# Altium PCB Drive_Board2.PcbDoc
Units mm, origin at the board's own origin, x right, y up, seen from the top; angles counter-clockwise.
Board outline 85.24 x 59.31 mm, 2 copper layers (Top Layer, Bottom Layer); 71 components, 38 nets, 185 pads, 0 vias.
Unrouted connection lines stored in the file: 147.
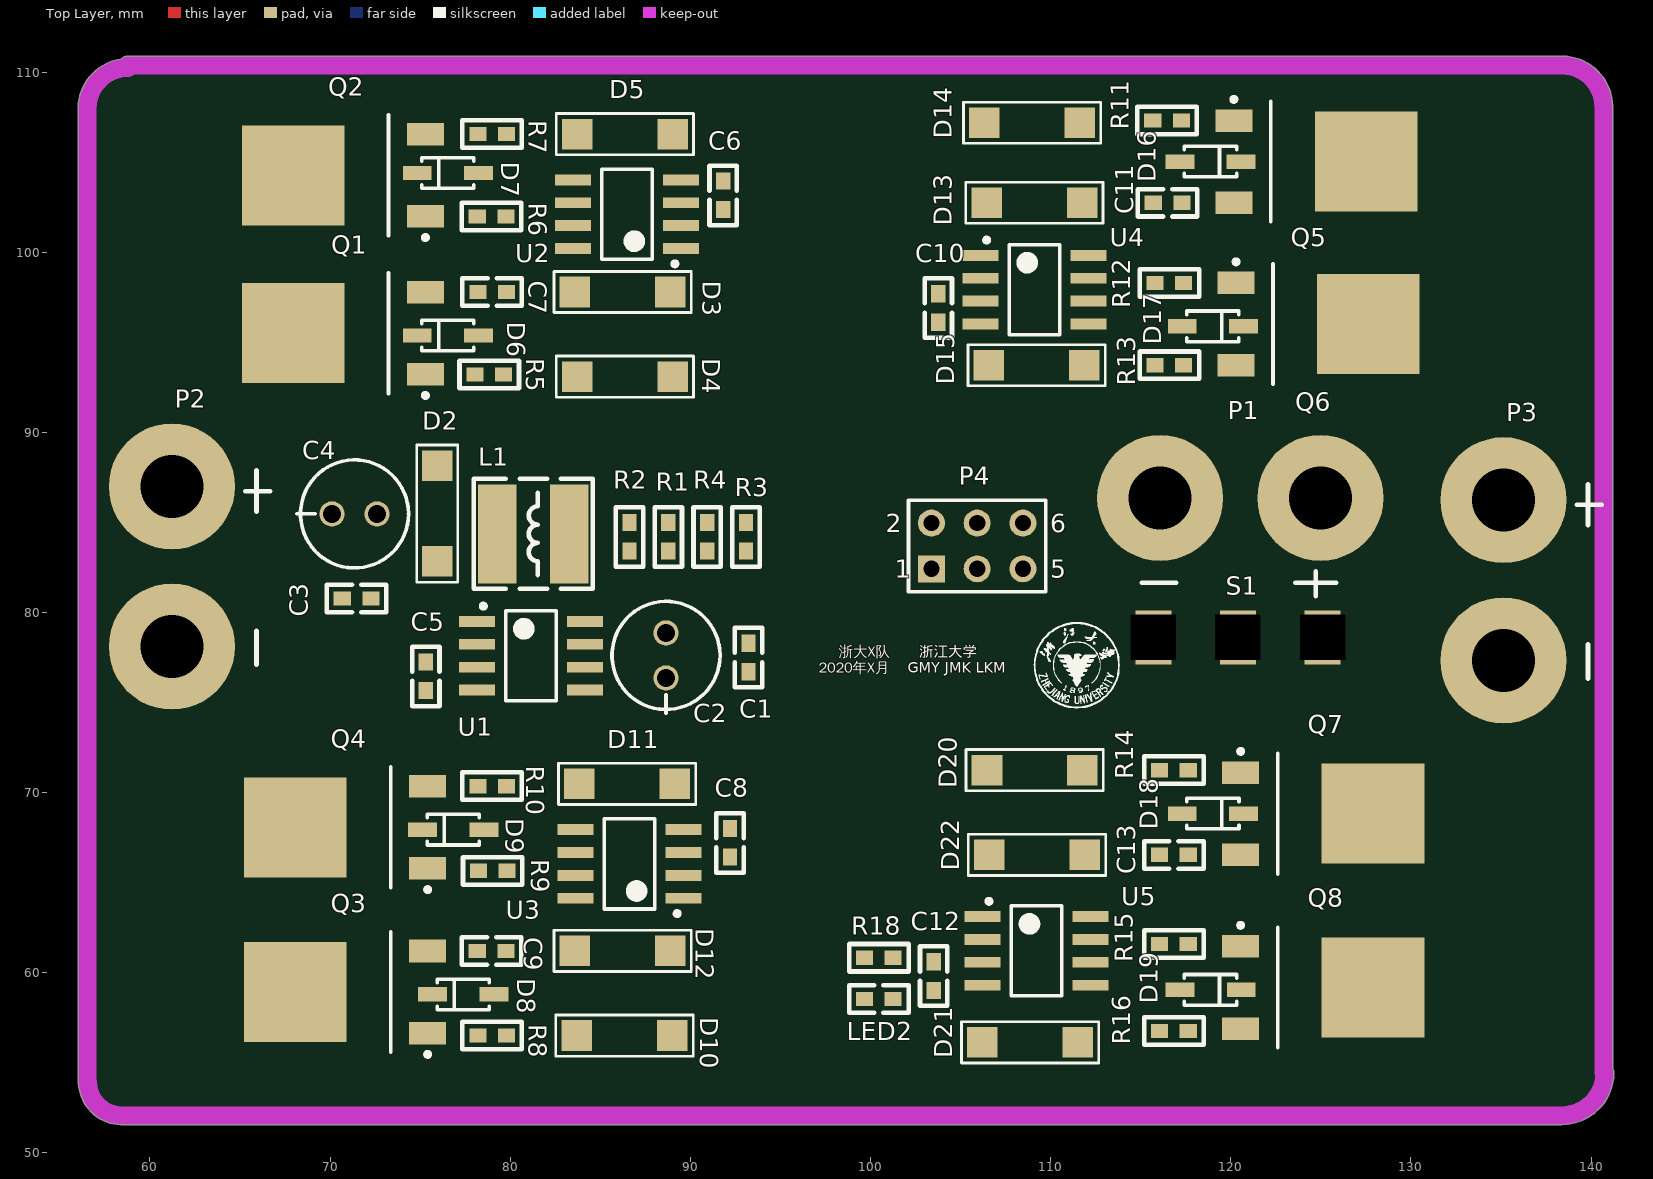
[diagram p0: Top Layer view]
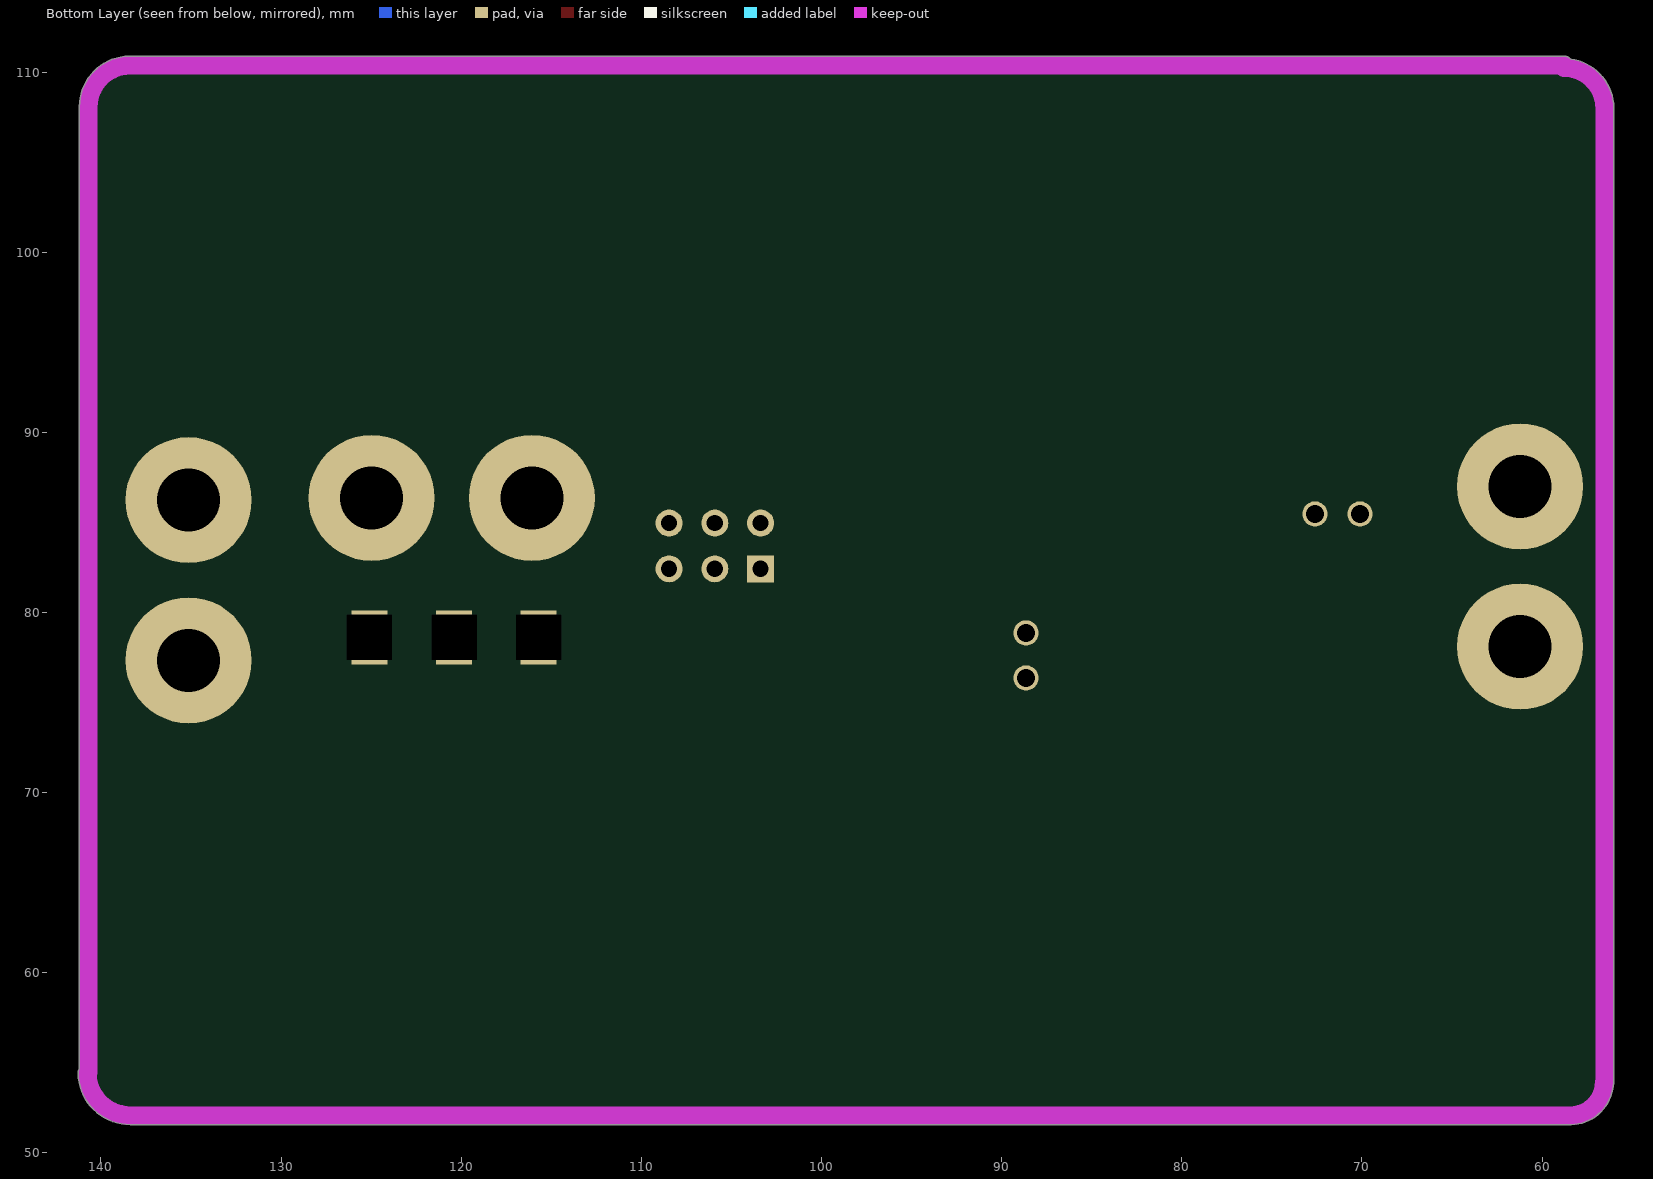
[diagram p1: Bottom Layer view, seen from below]

## Layer stack, top to bottom
Top Solder: solder mask 0.0102, Solder Resist, Dk 3.5
Top Layer: signal copper 0.0356
Dielectric 1: dielectric 0.32, FR-4, Dk 4.8
Bottom Layer: signal copper 0.0356
Bottom Solder: solder mask 0.0102, Solder Resist, Dk 3.5

## Board outline
58.386,51.571 ccw(c58.393,52.079) 58.403,51.571 ccw(c58.42,52.079) 58.42,51.57 138.367,51.57 ccw(c138.367,52.079) 138.371,51.57 cw(c138.373,52.079) 138.367,51.57 138.371,51.57 ccw(c138.373,52.079) 138.374,51.57 ccw(c138.367,54.462) 141.259,54.42 ccw(c140.75,54.428) 141.259,54.428 ccw(c140.75,54.428) 141.192,54.68 141.192,108.077 ccw(c140.683,108.077) 141.192,108.081 ccw(c140.683,108.083) 141.192,108.083 ccw(c140.683,108.083) 141.192,108.084 ccw(c138.389,108.077) 138.429,110.88 ccw(c138.422,110.371) 138.409,110.88 ccw(c138.389,110.372) 138.389,110.88 58.782,110.88 ccw(c58.782,110.372) 58.411,110.719 ccw(c58.782,107.978) 56.016,108.018 ccw(c56.524,108.01) 56.016,107.998 ccw(c56.524,107.978) 56.015,107.978 56.015,53.943 ccw(c56.524,53.943) 56.055,53.746 ccw(c58.42,53.943)

## Design rules (kind name [scope] priority, off if disabled: settings)
Clearance [All] p1: gap=0.254 ignorepadtopadclearanceinfootprint=FALSE except(0: Arc-Hole Track-Hole SMDPad-Hole THPad-Hole Via-Hole Fill-Hole Poly-Hole Region-Hole Text-Hole)
PolygonConnect [All] p1: connectstyle=Relief reliefconductorwidth=0.254 reliefentries=4 polygonreliefangle="90 Angle" airgapwidth=0.254
RoutingVias [All] p1: holewidth=0.711 width=1.27 viastyle="Through Hole" minholewidth=0.711 minwidth=1.27 maxholewidth=0.711 maxwidth=1.27
SolderMaskExpansion [All] p1: expansion=0.102
Width [All] p1: maxlimit=0.254 minlimit=0.254 preferedwidth=0.254
30 further rules are at their usual default settings.

## Components (designator, comment, footprint, x,y, rotation, side; value= is the part's Value field where it differs from the comment)
C1 "Cap" 0603C 93.218,77.502 r90 top value=100nF
C2 "Cap" 电解电容 88.646,78.867 r270 top value=100uF/16V
C3 "Cap" 0603C 71.469,80.772 r0 top value=100nF
C4 "Cap" 电解电容 72.604,85.471 r180 top value=100uF/16V
C5 "Cap" 0603C 75.311,76.454 r90 top value=470pF
C6 "Cap" 0603C 91.821,103.156 r270 top value=100nF
C7 "Cap" 0603C 78.994,97.79 r0 top value=1.5uF
C8 "Cap" 0603C 92.202,67.215 r270 top value=100nF
C9 "Cap" 0603C 78.962,61.214 r0 top value=1.5uF
C10 "Cap" 0603C 103.759,96.901 r90 top value=100nF
C11 "Cap" 0603C 116.491,102.743 r180 top value=1.5uF
C12 "Cap" 0603C 103.506,59.817 r90 top value=100nF
C13 "Cap" 0603C 116.841,66.548 r180 top value=1.5uF
D2 "SS14" ss54 75.946,85.488 r270 top
D3 "SS14" ss54 86.233,97.79 r0 top
D4 "SS14" ss54 86.36,93.091 r0 top
D5 "SS14" ss54 86.36,106.553 r0 top
D6 "1N4148" SOD123 78.183,95.377 r180 top
D7 "1N4148" SOD123 78.183,104.394 r180 top
D8 "1N4148" SOD123 79.043,58.801 r180 top
D9 "1N4148" SOD123 78.486,67.945 r180 top
D10 "SS14" ss54 86.343,56.515 r0 top
D11 "SS14" ss54 86.487,70.485 r0 top
D12 "SS14" ss54 86.233,61.214 r0 top
D13 "SS14" ss54 109.093,102.743 r180 top
D14 "SS14" ss54 108.966,107.188 r0 top
D15 "SS14" ss54 109.22,93.726 r0 top
D16 "1N4148" SOD123 117.221,105.029 r0 top
D17 "1N4148" SOD123 117.348,95.885 r0 top
D18 "1N4148" SOD123 117.349,68.834 r0 top
D19 "1N4148" SOD123 117.222,59.055 r0 top
D20 "SS14" ss54 109.111,71.247 r0 top
D21 "SS14" ss54 108.857,56.134 r180 top
D22 "SS14" ss54 109.238,66.548 r180 top
L1 "220uH" CD54 81.28,84.368 r180 top
LED2 "0" 0603C 100.458,58.547 r0 top
P1 "Header 2" VCCBAT 120.523,86.36 r180 top
P2 "Header 2" VCCBAT 61.214,82.55 r270 top
P3 "Header 2" VCCBAT 135.128,81.788 r270 top
P4 "Header 3X2" HDR2X3 103.378,82.423 r0 top
Q1 "MOSFET" DPAK-1 70.739,95.504 r180 top
Q2 "MOSFET" DPAK-1 70.739,104.267 r180 top
Q3 "MOSFET" DPAK-1 70.866,58.928 r180 top
Q4 "MOSFET" DPAK-1 70.866,68.072 r180 top
Q5 "MOSFET" DPAK-1 124.714,105.029 r0 top
Q6 "MOSFET" DPAK-1 124.841,96.012 r0 top
Q7 "MOSFET" DPAK-1 125.096,68.834 r0 top
Q8 "MOSFET" DPAK-1 125.096,59.182 r0 top
R1 "Res2" 0603R 88.773,84.201 r90 top value=0.91
R2 "Res2" 0603R 86.614,84.201 r90 top value=180
R3 "Res2" 0603R 93.091,84.201 r90 top value=3.9k
R4 "Res2" 0603R 90.932,84.201 r270 top value=33k
R5 "Res2" 0603R 78.835,93.218 r0 top value=20
R6 "Res2" 0603R 78.962,101.981 r0 top value=20
R7 "Res2" 0603R 78.994,106.553 r0 top value=10k
R8 "Res2" 0603R 78.994,56.515 r0 top value=20
R9 "Res2" 0603R 79.026,65.659 r0 top value=20
R10 "Res2" 0603R 78.994,70.358 r0 top value=10k
R11 "Res2" 0603R 116.459,107.315 r180 top value=20
R12 "Res2" 0603R 116.586,98.298 r180 top value=20
R13 "Res2" 0603R 116.586,93.726 r180 top value=10k
R14 "Res2" 0603R 116.841,71.247 r180 top value=20
R15 "Res2" 0603R 116.841,61.595 r180 top value=20
R16 "Res2" 0603R 116.841,56.769 r180 top value=10k
R18 "Res2" 0603R 100.458,60.833 r0 top value=11k
S1 "SW-SPDT" SW 120.396,78.613 r0 top
U1 "MC34063" SOIC-8 81.153,77.597 r0 top
U2 "IR2104" SOIC-8 86.487,102.108 r180 top
U3 "IR2104" SOIC-8 86.614,66.04 r180 top
U4 "IR2104" SOIC-8 109.093,97.917 r0 top
U5 "IR2104" SOIC-8 109.221,61.214 r0 top

## Footprints (in the part's own frame and the unit in brackets; to place one, negate y for a bottom-side part, rotate by r counter-clockwise, add the part's x,y. Pads: shape width x height; smd on the part's side, far side on the other; paste and mask are expansions set on the pad)
0603C [mil]
  rect 37.5x31 smd: 1(-31.25,0) 2(31.25,0)
  silkscreen extent -65,-30 65,30
0603R [mil]
  rect 37.5x31 smd: 1(-31.25,0) 2(31.25,0)
  silkscreen extent -65,-30 65,30
CD54 [mm] "5.8*5.2*4.5mm（长宽高）"
  rect 2.15x5.5 smd: 1(-2,0) 2(2,0)
  silkscreen extent -3.3,-3.05 3.3,3.05, body extent -2.87,-2.5 2.87,2.5, height 4
DPAK-1 [mm]
  rect 5.7x5.55 smd: 1(2.794,0)
  rect 2.05x1.25 smd: 2(-4.55,2.28) 3(-4.55,-2.28)
  silkscreen extent -4.68,-3.35 -2.5,3.58, body extent -2.15,-3.37 4.07,3.37, height 2.38
HDR2X3 [mm] "Connector; Header; 3x2 Position"
  rect 1.5x1.5 hole 0.9: 1(0,0)
  round 1.5 hole 0.9: 2(0,2.54) 3(2.54,0) 4(2.54,2.54) 5(5.08,0) 6(5.08,2.54)
  silkscreen extent -1.27,-1.27 6.35,3.81
SOD123 [mm]
  rect 1.6x0.8 smd: 1(-0.049,0) 2(3.351,0)
  silkscreen extent 0.2,-0.85 3.1,0.85
SOIC-8 [mm]
  rect 2x0.6 smd: 1(-3,1.905) 2(-3,0.635) 3(-3,-0.635) 4(-3,-1.905) 5(3,-1.905) 6(3,-0.635) 7(3,0.635) 8(3,1.905)
  silkscreen extent -2.77,-2.5 1.4,2.88, body extent -3.05,-2.44 3.05,2.46, height 1.51
ss54 [mm]
  rect 1.7x1.7 smd: A(-2.65,0) K(2.65,0)
  silkscreen extent -3.81,-1.14 3.81,1.14
SW [mm]
  rect 2x3 hole 2.5 square: 1(-4.7,0) 2(0,0) 3(4.7,0)
VCCBAT [mm]
  round 7 hole 3.5: 1(-4.445,0) 2(4.445,0)
  silkscreen extent -5.33,4.06 5.46,5.46
电解电容 [mm]
  round 1.4 hole 1: 1(0,0) 2(2.5,0)
  silkscreen extent -1.75,-3 4.44,3

## Part data
C1 C3 C5 C6 C7 C8 C9 C10 C11 C12 C13: "Capacitor", LatestRevisionDate=17-Jul-2002, LatestRevisionNote="Re-released for DXP Platform.", PackageDescription="Radial Cap, Thru-Hole; 2 Leads; 0.3 in Pin Spacing", PackageReference=RAD-0.3, Published=8-Jun-2000, Publisher="Altium Limited"
C2 C4: library part Cap2, "Capacitor", LatestRevisionDate=17-Jul-2002, LatestRevisionNote="Re-released for DXP Platform.", PackageDescription="Radial Cap, Thru-Hole; 2 Leads; 0.3 in Pin Spacing", PackageReference=RAD-0.3, Published=8-Jun-2000, Publisher="Altium Limited"
D2 D3 D4 D5 D10 D11 D12 D13 D14 D15 D20 D21 D22: library part Diode_1, "Default Diode", Code_JEDEC=DO-214-AB, LatestRevisionDate=17-Jul-2002, LatestRevisionNote="Re-released for DXP Platform.", PackageDescription="DO-214-AB/SMC; 2 C-Bend Leads; Body 7.9 x 5.9 mm, inc. leads (LxW)", PackageReference=SMC, PackageVersion=Sep-1996, Published=8-Jun-2000, Publisher="Altium Limited"
D6 D7 D8 D9 D16 D17 D18 D19: library part Diode_2, "Default Diode", Code_JEDEC=DO-214-AB, LatestRevisionDate=17-Jul-2002, LatestRevisionNote="Re-released for DXP Platform.", PackageDescription="DO-214-AB/SMC; 2 C-Bend Leads; Body 7.9 x 5.9 mm, inc. leads (LxW)", PackageReference=SMC, PackageVersion=Sep-1996, Published=8-Jun-2000, Publisher="Altium Limited"
L1: library part Inductor_2, "Inductor", Code_IEC=1005, Code_JEITA=0402, LatestRevisionDate=29-May-2009, LatestRevisionNote="IPC-7351 Footprint Added.", PackageDescription="Chip Inductor", PackageReference=0402-A, Published=8-Jun-2000, Publisher="Altium Limited"
LED2: library part LED2, "Typical RED, GREEN, YELLOW, AMBER GaAs LED", LatestRevisionDate=17-Jul-2002, LatestRevisionNote="Re-released for DXP Platform.", PackageDescription="SM LED; 2 Flat Leads", PackageReference=3.2X1.6X1.1, PackageVersion=Feb-2002, Published=8-Jun-2000, Publisher="Altium Limited"
P1 P2 P3: library part "Header 2_2", "Header, 2-Pin", LatestRevisionDate=17-Jul-2002, LatestRevisionNote="Re-released for DXP Platform.", Publisher="Altium Limited"
P4: "Header, 3-Pin, Dual row", LatestRevisionDate=17-Jul-2002, LatestRevisionNote="Re-released for DXP Platform.", Publisher="Altium Limited"
Q1 Q2 Q3 Q4 Q5 Q6 Q7 Q8: library part MOSFET-N
R1 R2 R3 R4 R5 R6 R7 R8 R9 R10 R11 R12 R13 R14 R15 R16 R18: "Resistor", LatestRevisionDate=17-Jul-2002, LatestRevisionNote="Re-released for DXP Platform.", PackageDescription="Axial Device, Thru-Hole; 2 Leads; 0.4 in Pin Spacing", PackageReference=AXIAL-0.4, Published=8-Jun-2000, Publisher="Altium Limited"
S1: "SPDT Subminiature Toggle Switch, Right Angle Mounting, Vertical Actuation", ComponentLink1Description="Manufacturer Link", ComponentLink1URL=http://www.apem.com, DatasheetVersion=05-Dec-2000, LatestRevisionDate=17-Dec-2003, LatestRevisionNote="Schematic revised, PCB Footprint replaced.", PackageDescription="Switch; 4 Leads", PackageReference=TL36WW15050, Published=24-Mar-1999, Publisher="Altium Limited"

## Nets (pads, with @x,y where several pads share a name; then routed paths per layer and width w, separated by ;. In a path a pad name is that pad's centre, name@x,y a point inside that pad or via, vN(x,y) a via of type N, cw(c..) or ccw(c..) an arc to the next point about the centre after c; other vN are vias at no path point)
EN: C3.2 C4.1 C6.2 C8.2 C10.2 C12.2 D2.A D3.K D12.K D13.K D22.K R4.1 R18.2 U2.1 U2.3 U3.1 U3.3 U4.1 U4.3 U5.1 U5.3
GND: C1.1 C2.2 C3.1 C4.2 C5.1 C6.1 C8.1 C10.1 C12.1 D7.1 D9.1 D17.1 D19.1 LED2.2 P1.2 P4.3 P4.4 Q2.3 Q4.3 Q6.3 Q8.3 R3.2 R7.1 R10.1 R13.1 R16.1 U1.2 U1.4 U2.4 U3.4 U4.4 U5.4
L0: P4.2 U2.2
L1: P4.6 U3.2
L+: C7.1 D6.1 D7.2 P2.1 Q1.3 Q2.1 U2.6
L-: C9.1 D8.1 D9.2 P2.2 Q3.3 Q4.1 U3.6
NetC5_2: C5.2 U1.3
NetC7_2: C7.2 D3.A U2.8
NetC9_2: C9.2 D12.A U3.8
NetC11_2: C11.2 D13.A U4.8
NetC13_2: C13.2 D22.A U5.8
NetD2_1: D2.K L1.2 U1.1
NetD4_1: D4.K Q1.2 R5.1
NetD4_2: D4.A R5.2 U2.7
NetD5_1: D5.A Q2.2 R6.1 R7.2
NetD5_2: D5.K R6.2 U2.5
NetD10_1: D10.K Q3.2 R8.1
NetD10_2: D10.A R8.2 U3.7
NetD11_1: D11.A Q4.2 R9.1 R10.2
NetD11_2: D11.K R9.2 U3.5
NetD14_1: D14.A Q5.2 R11.1
NetD14_2: D14.K R11.2 U4.7
NetD15_1: D15.K Q6.2 R12.1 R13.2
NetD15_2: D15.A R12.2 U4.5
NetD20_1: D20.A Q7.2 R14.1
NetD20_2: D20.K R14.2 U5.7
NetD21_1: D21.A Q8.2 R15.1 R16.2
NetD21_2: D21.K R15.2 U5.5
NetL1_1: L1.1 R1.2 R2.2 U1.7
NetLED2_1: LED2.1 R18.1
NetR2_1: R2.1 U1.8
NetR3_1: R3.1 R4.2 U1.5
R0: P4.1 U4.2
R1: P4.5 U5.2
R+: C11.1 D16.1 D17.2 P3.1 Q5.3 Q6.1 U4.6
R-: C13.1 D18.1 D19.2 P3.2 Q7.3 Q8.1 U5.6
VCC: C1.2 C2.1 D6.2 D8.2 D16.2 D18.2 Q1.1 Q3.1 Q5.1 Q7.1 R1.1 S1.1 S1.2 U1.6
VIN: P1.1 S1.3

## Keep-outs
Keep-Out Layer:
  lines w1.016: 56.524,53.943 56.524,107.978 ; 56.524,108.01 cw(c58.782,107.978) 58.776,110.236 ; 56.555,53.939 ccw(c58.42,53.943) 58.393,52.079 ; 58.42,52.079 138.367,52.079 ; 58.782,110.372 138.389,110.372 ; 138.373,52.079 ccw(c138.367,54.462) 140.75,54.428 ; 138.422,110.371 cw(c138.389,108.077) 140.683,108.083 ; 140.683,54.462 140.683,108.077

## Silkscreen, mask and mechanical layers (free items; w line width, h text height)
Top Overlay:
  drawing of 1340 lines, arcs and shapes, not listed
  text "浙大X队" at 98.242,77.343 h1.02
  text "浙江大学" at 102.701,77.343 h1.02
  text "2020年X月" at 97.113,76.454 h1.02
  text "GMY JMK LKM" at 102.066,76.454 h1.02

## Text inside footprints (layer, text, board x,y; h text height)
P4: Top Overlay "1" at 101.346,81.915 h1.02; Top Overlay "2" at 100.838,84.455 h1.02; Top Overlay "5" at 109.982,81.915 h1.02; Top Overlay "6" at 109.982,84.455 h1.02